# Altium PCB ADCS_PCB_2.PcbDoc (part 1 of 3)
Units mm, origin at the board's own origin, x right, y up, seen from the top; angles counter-clockwise.
Board outline 95.7 x 90 mm, 4 copper layers (Top Layer, Int1 (GND), Int2 (PWR), Bottom Layer), stack 1.57 mm thick; 156 components, 114 nets, 784 pads, 1100 vias.
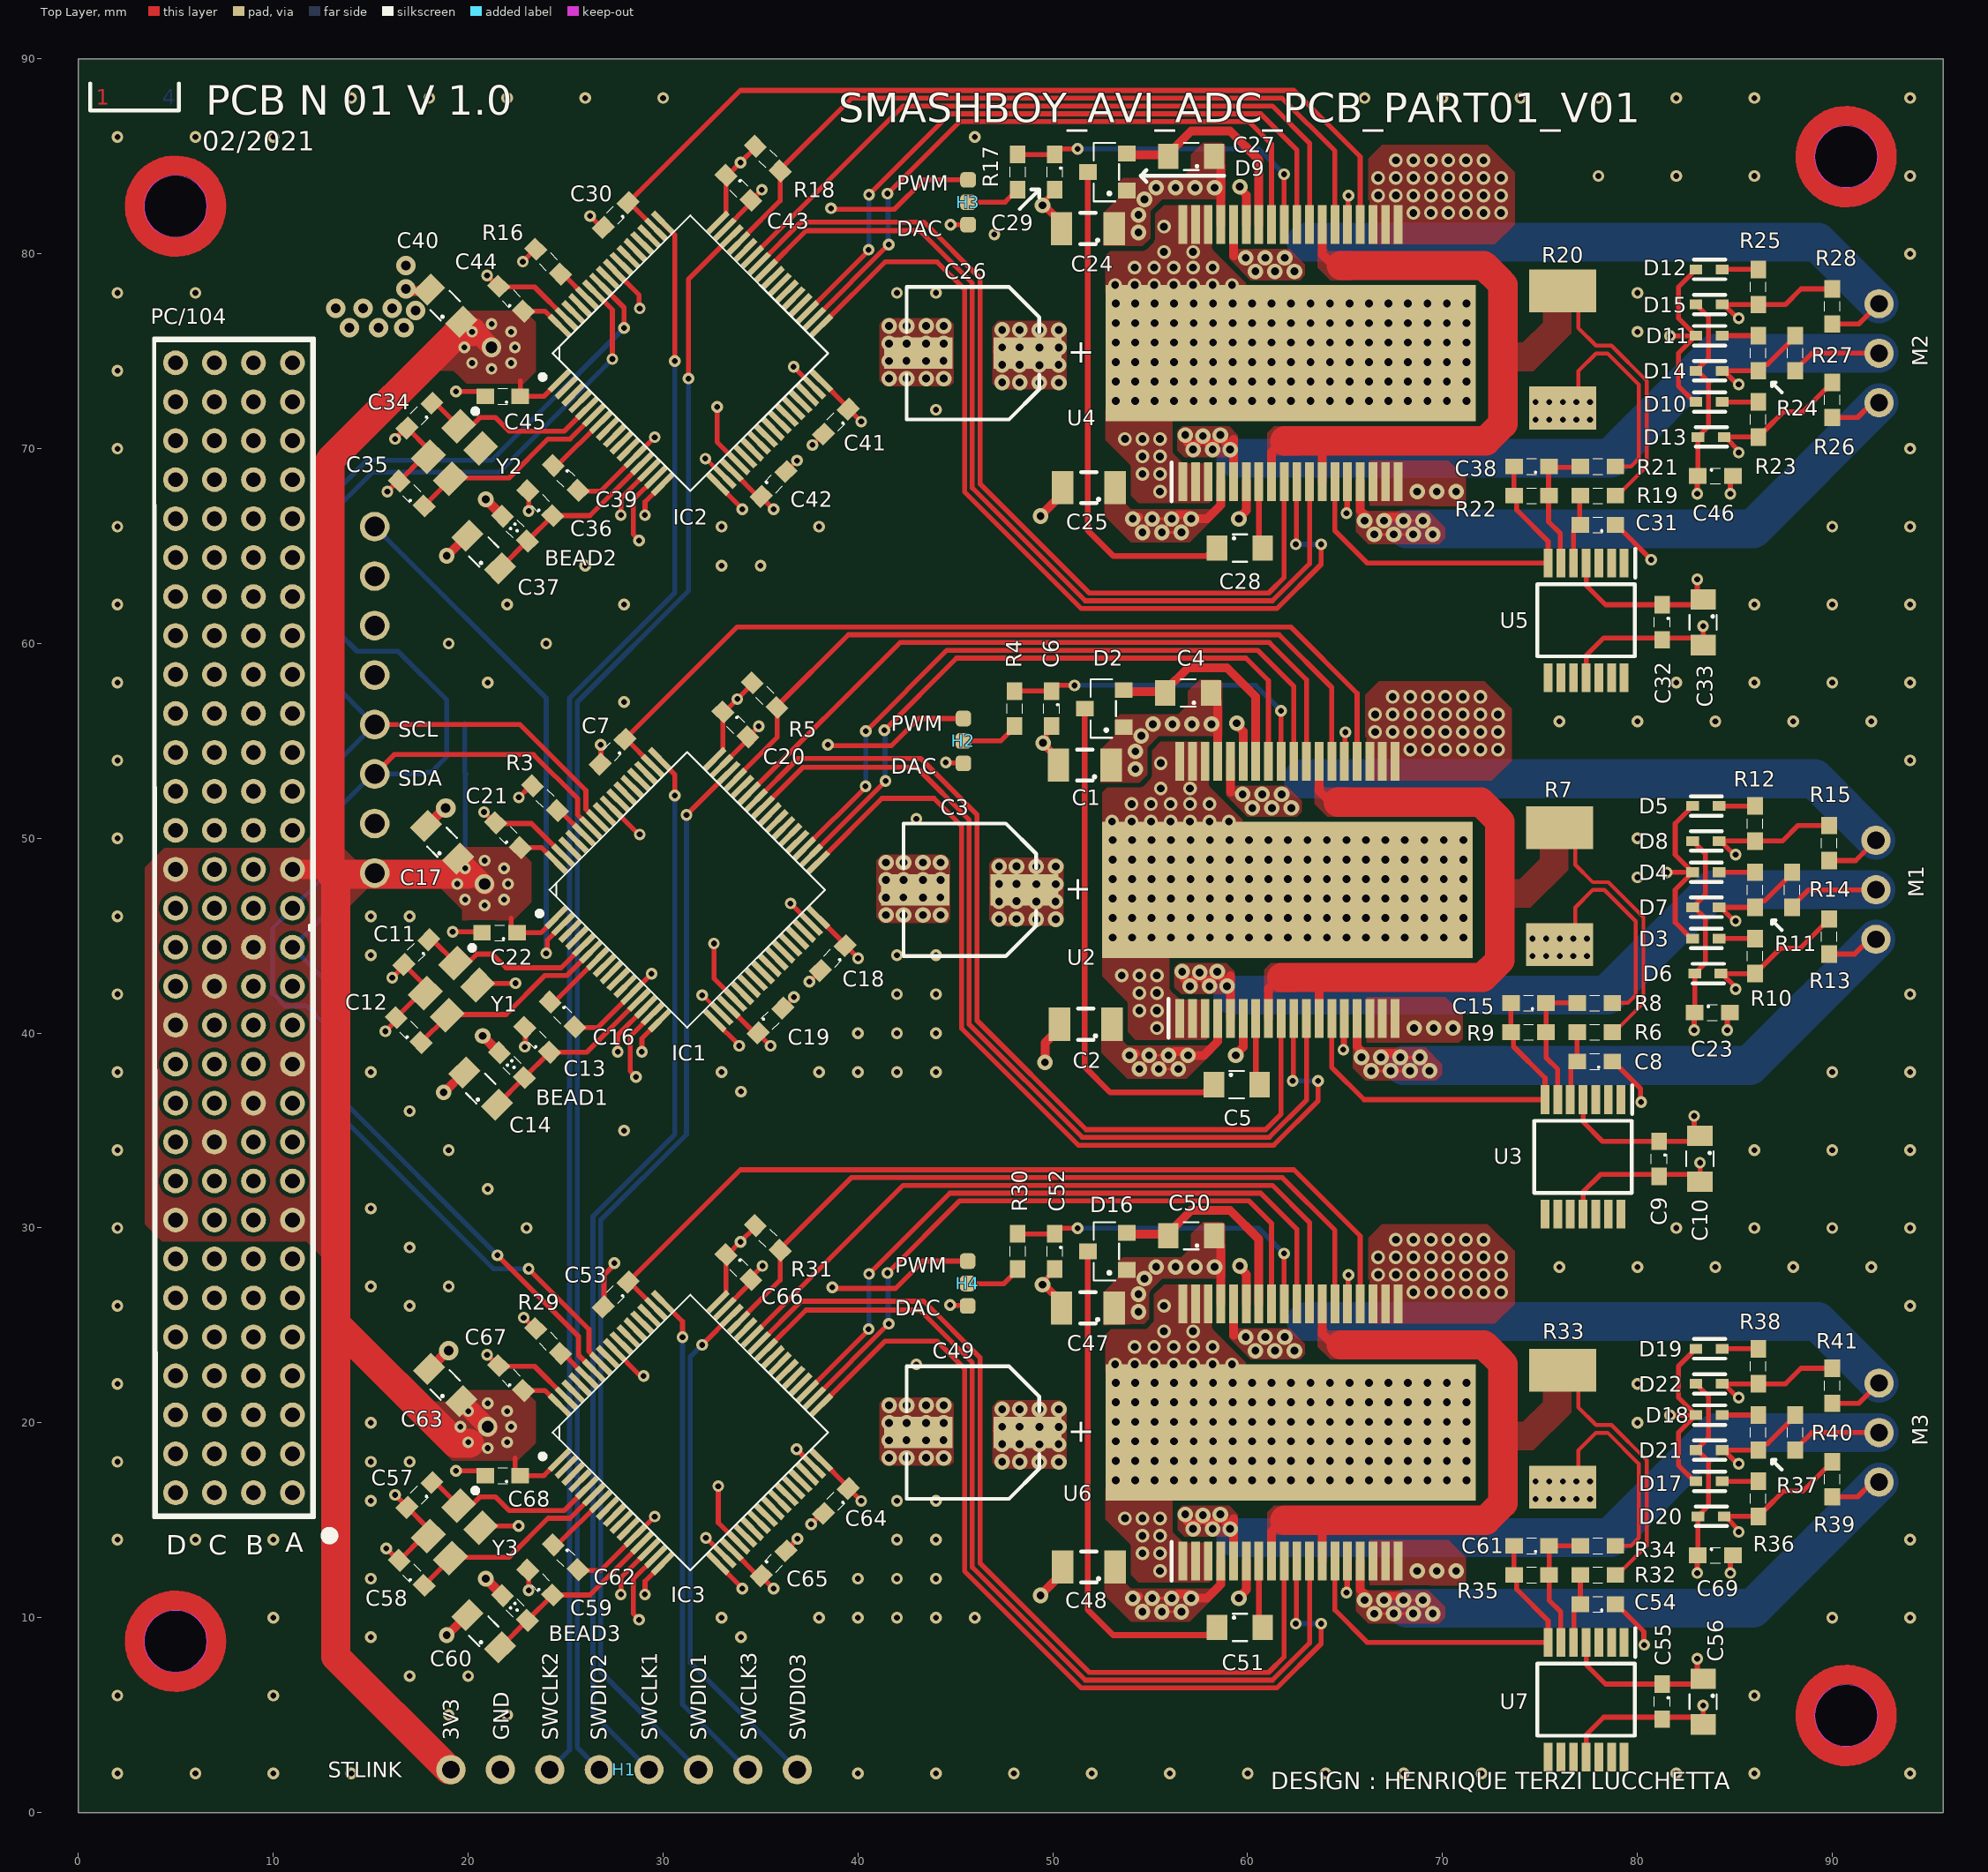
[diagram p0: Top Layer view]
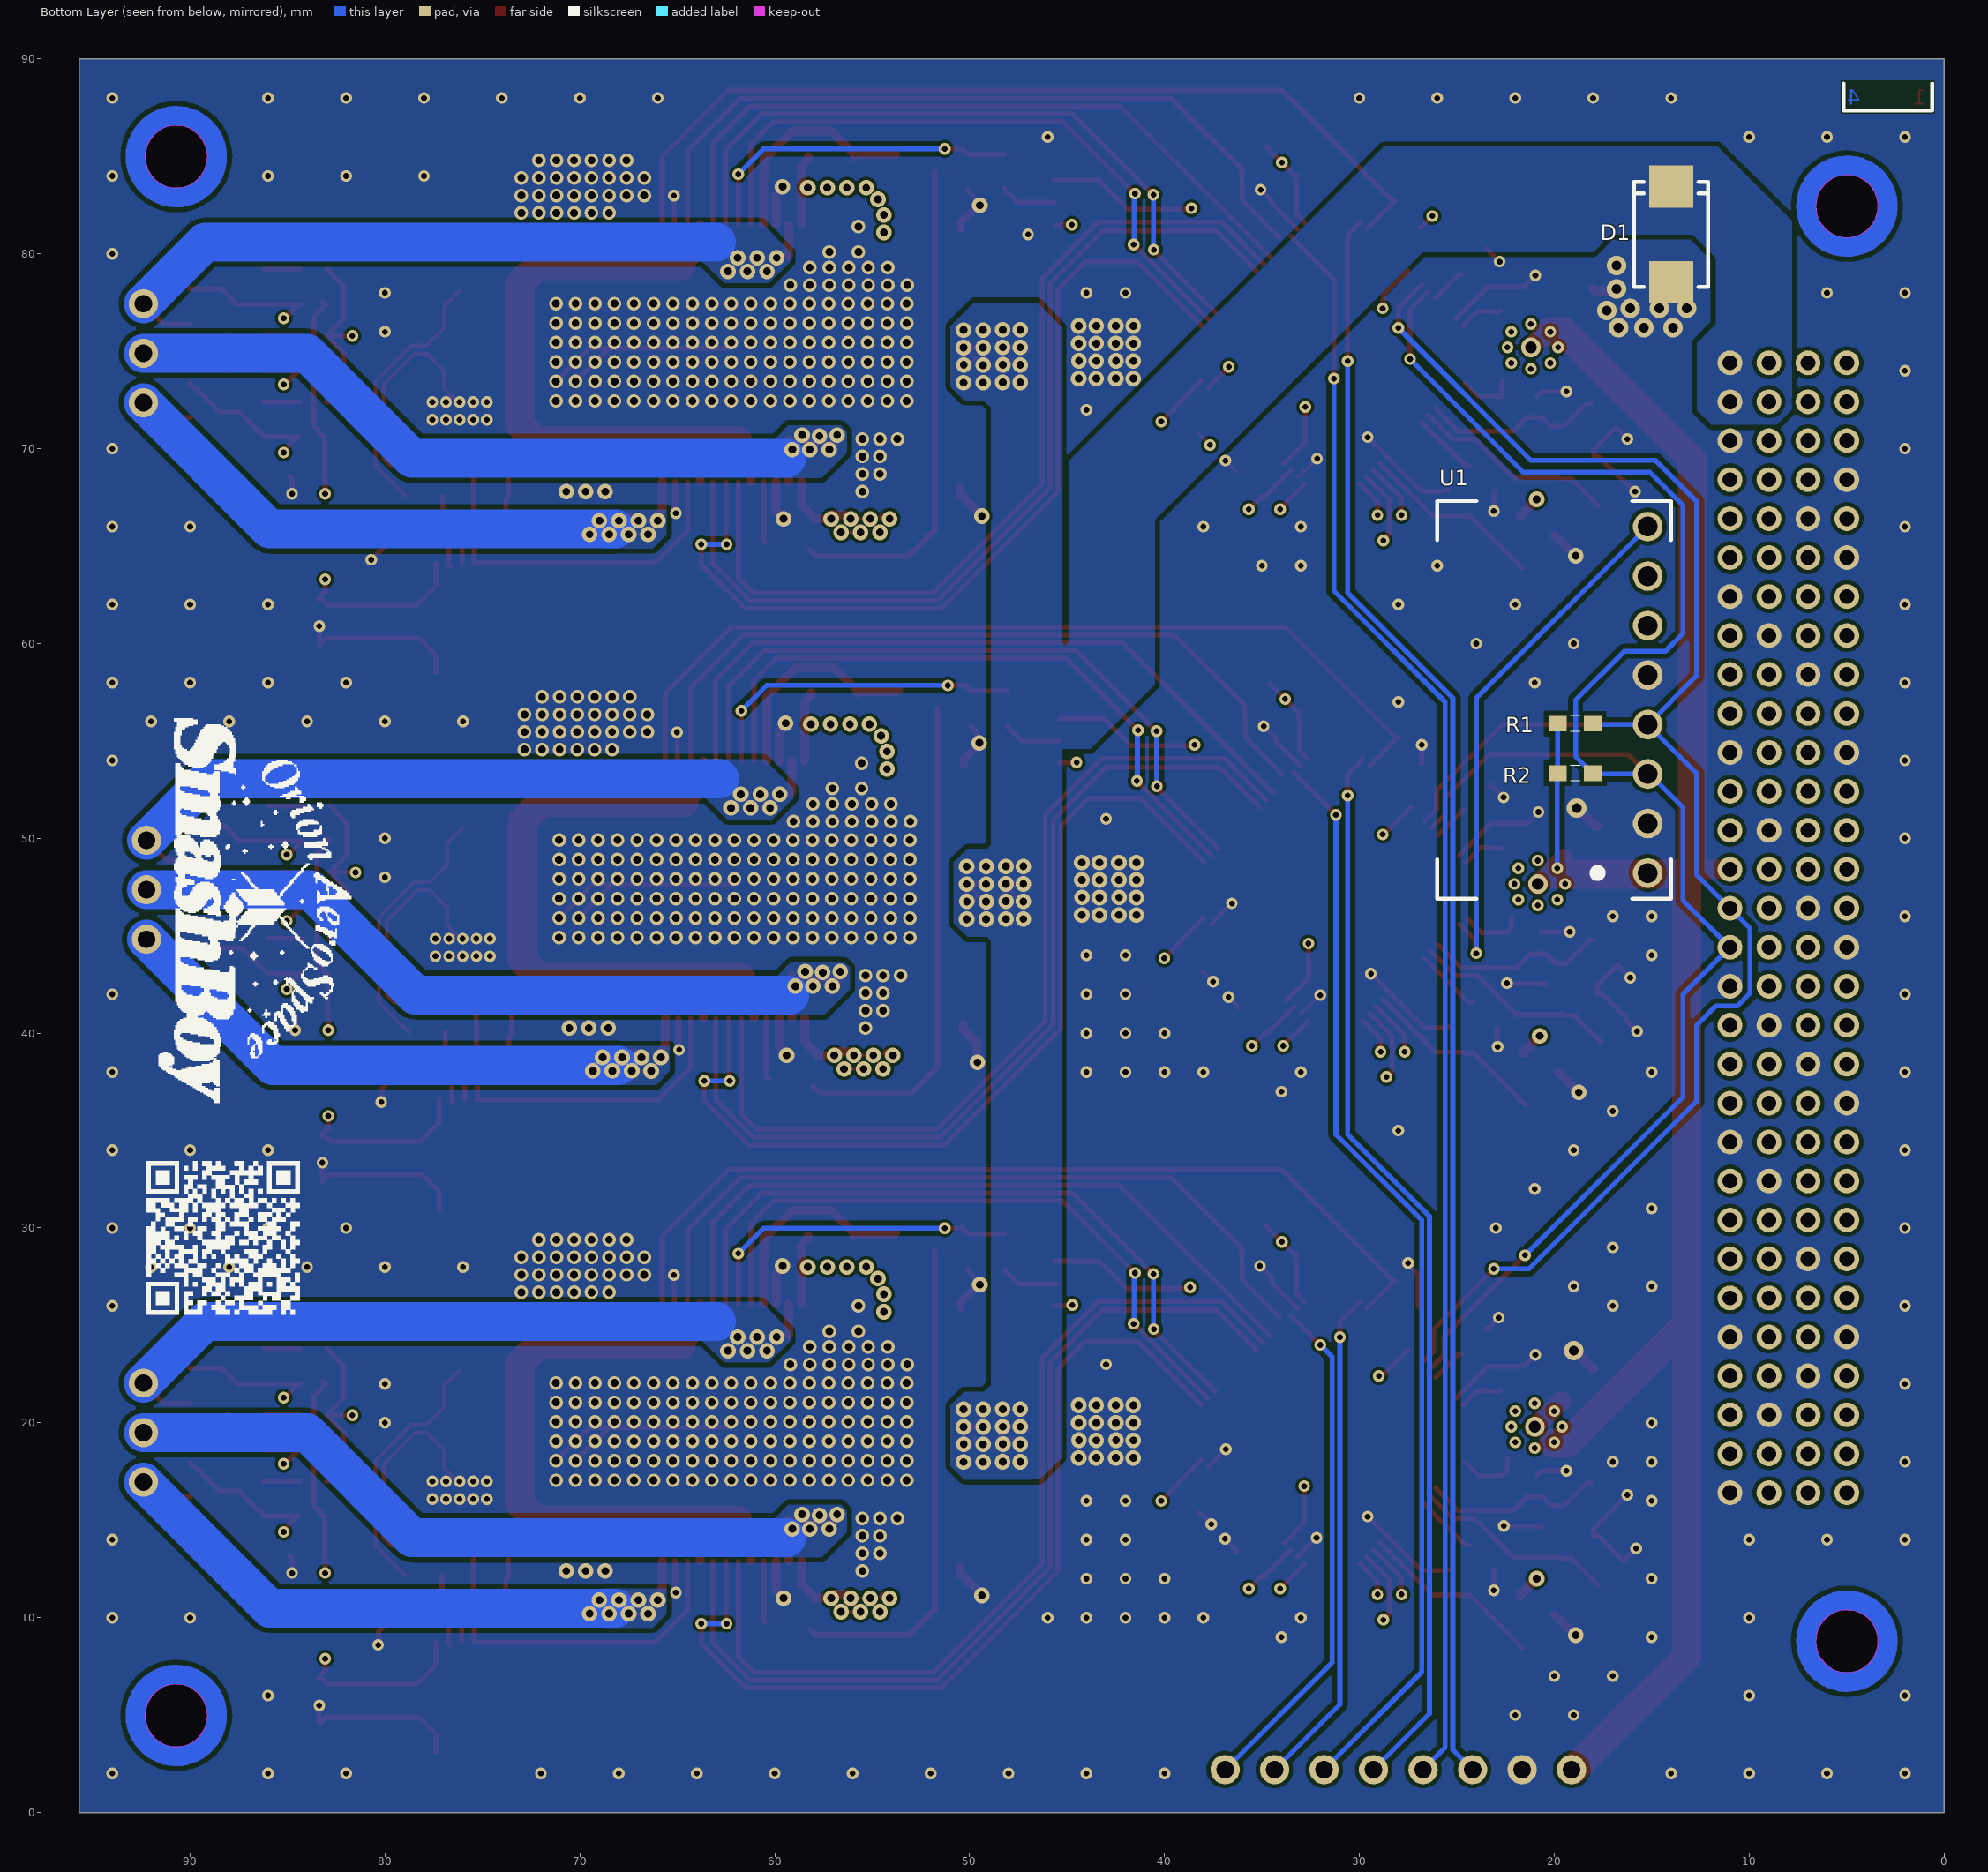
[diagram p1: Bottom Layer view, seen from below]
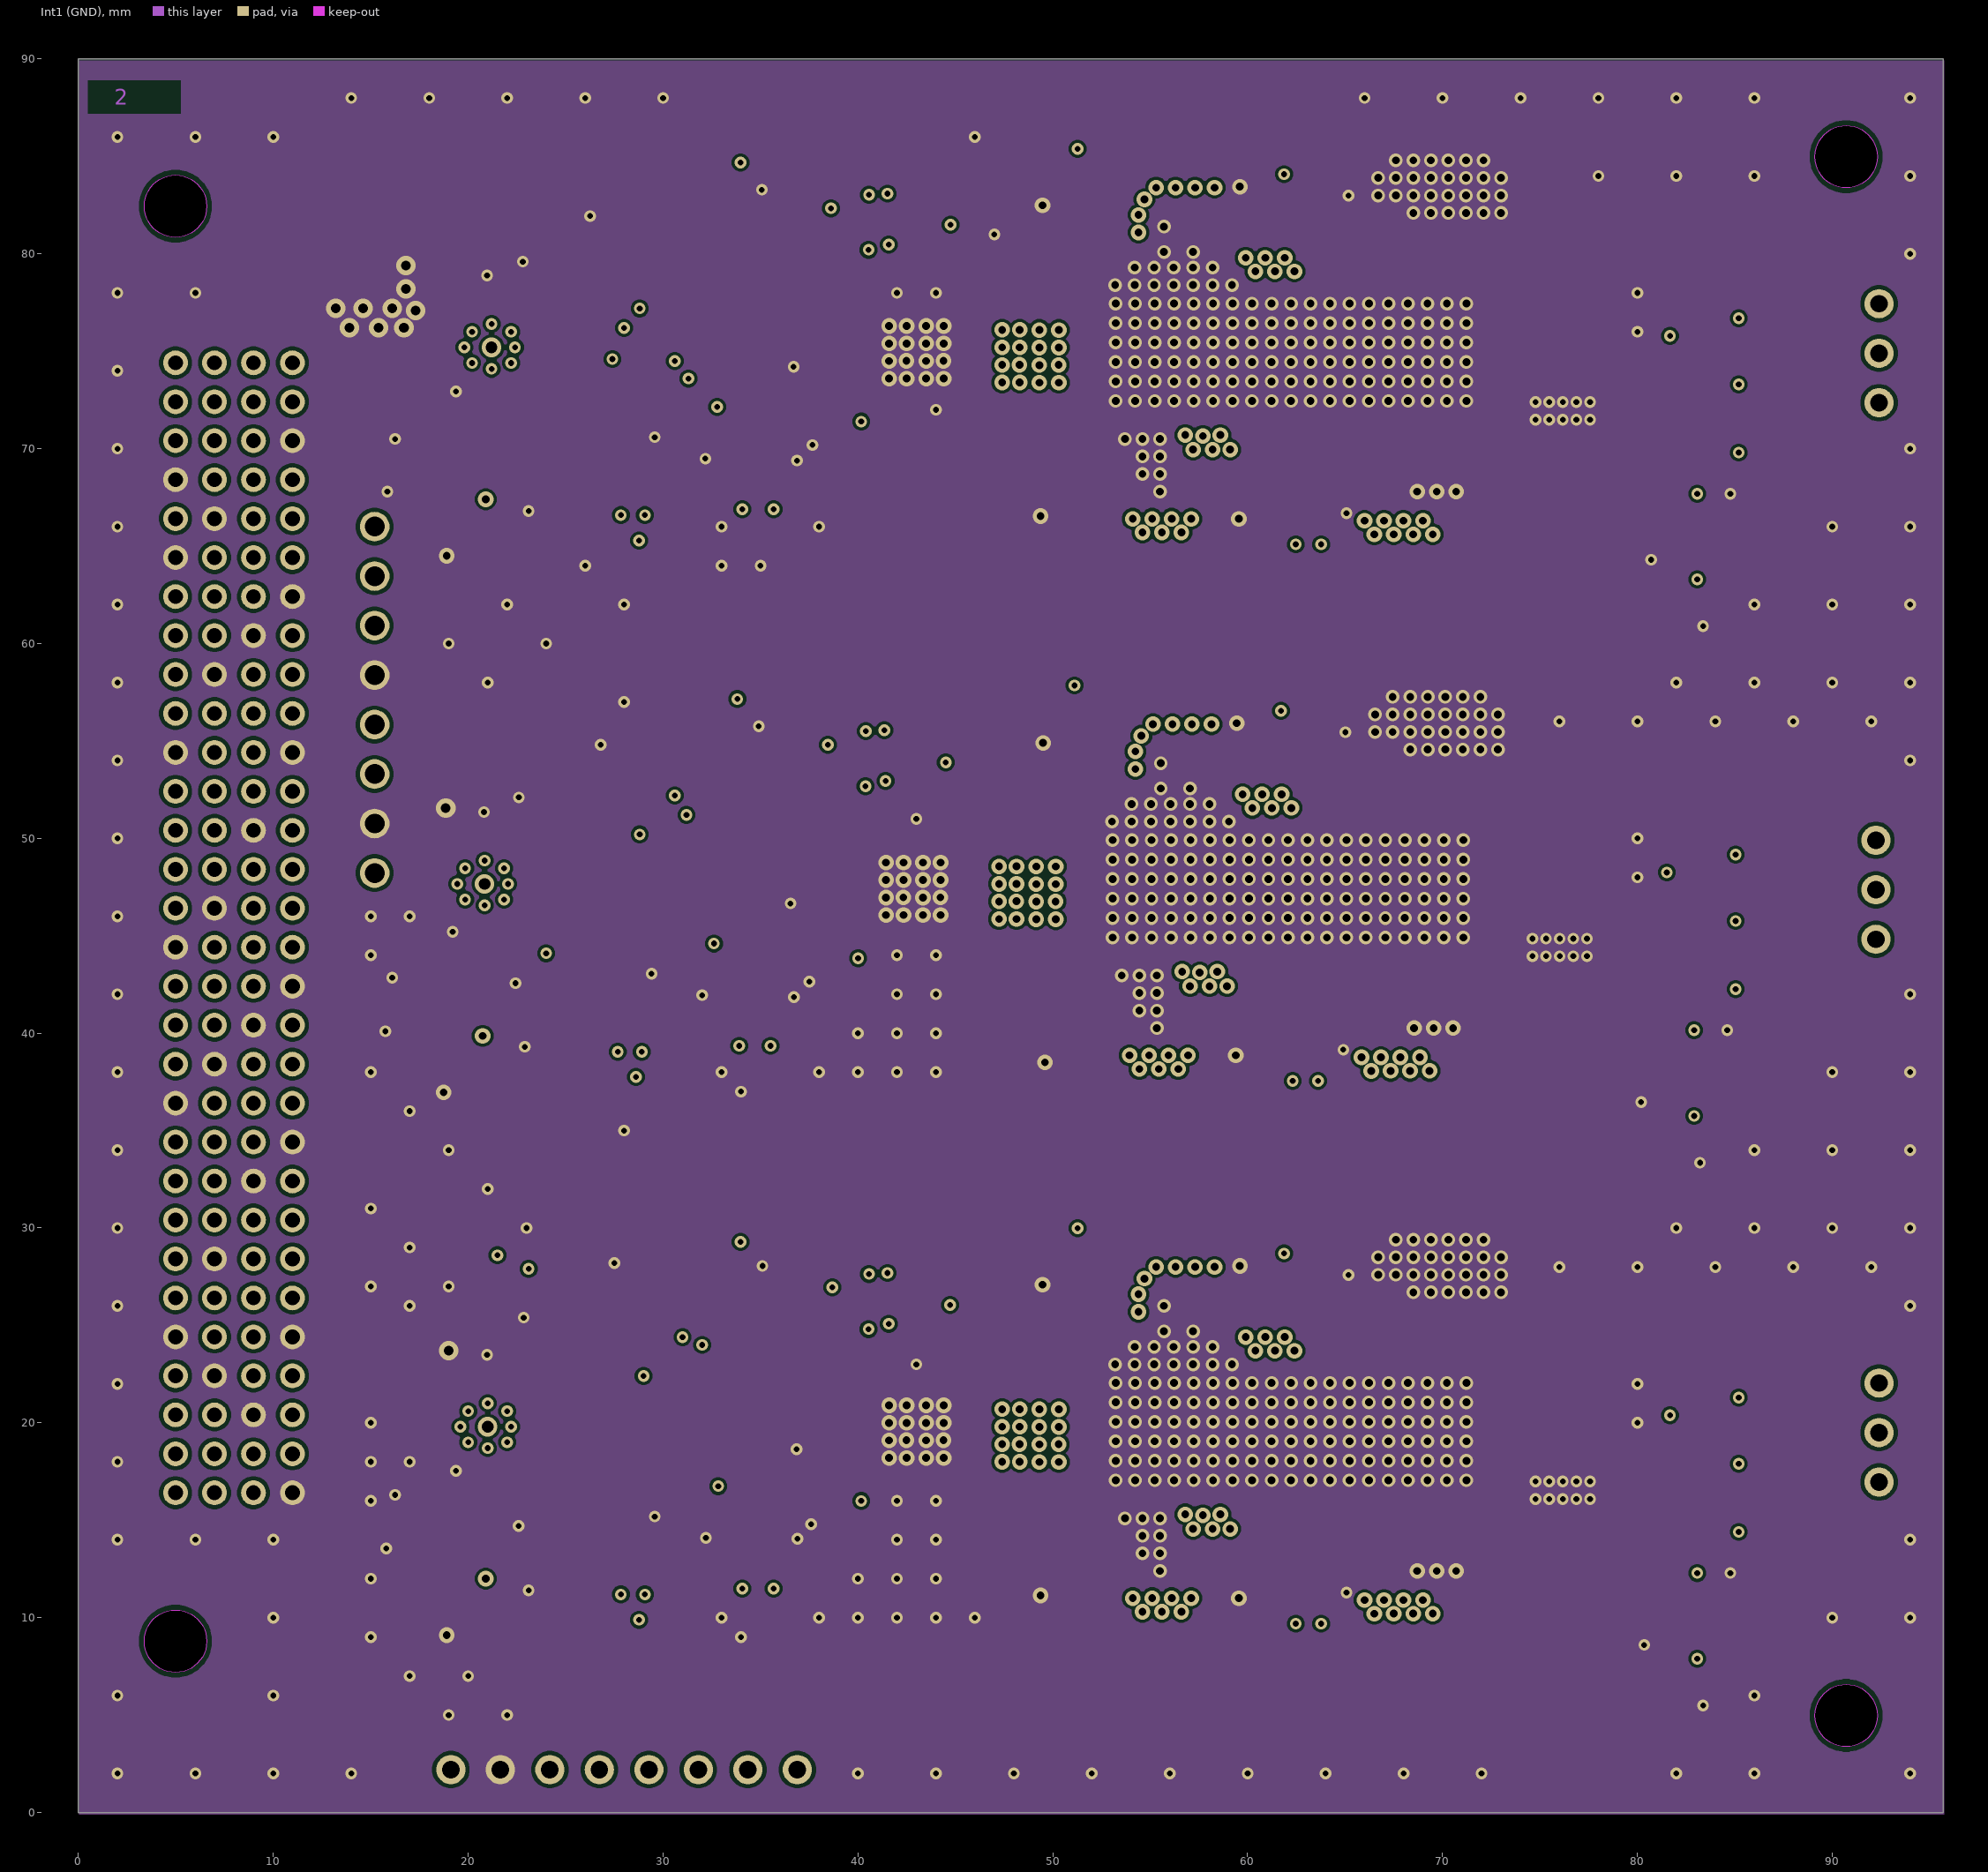
[diagram p2: Int1 (GND)]
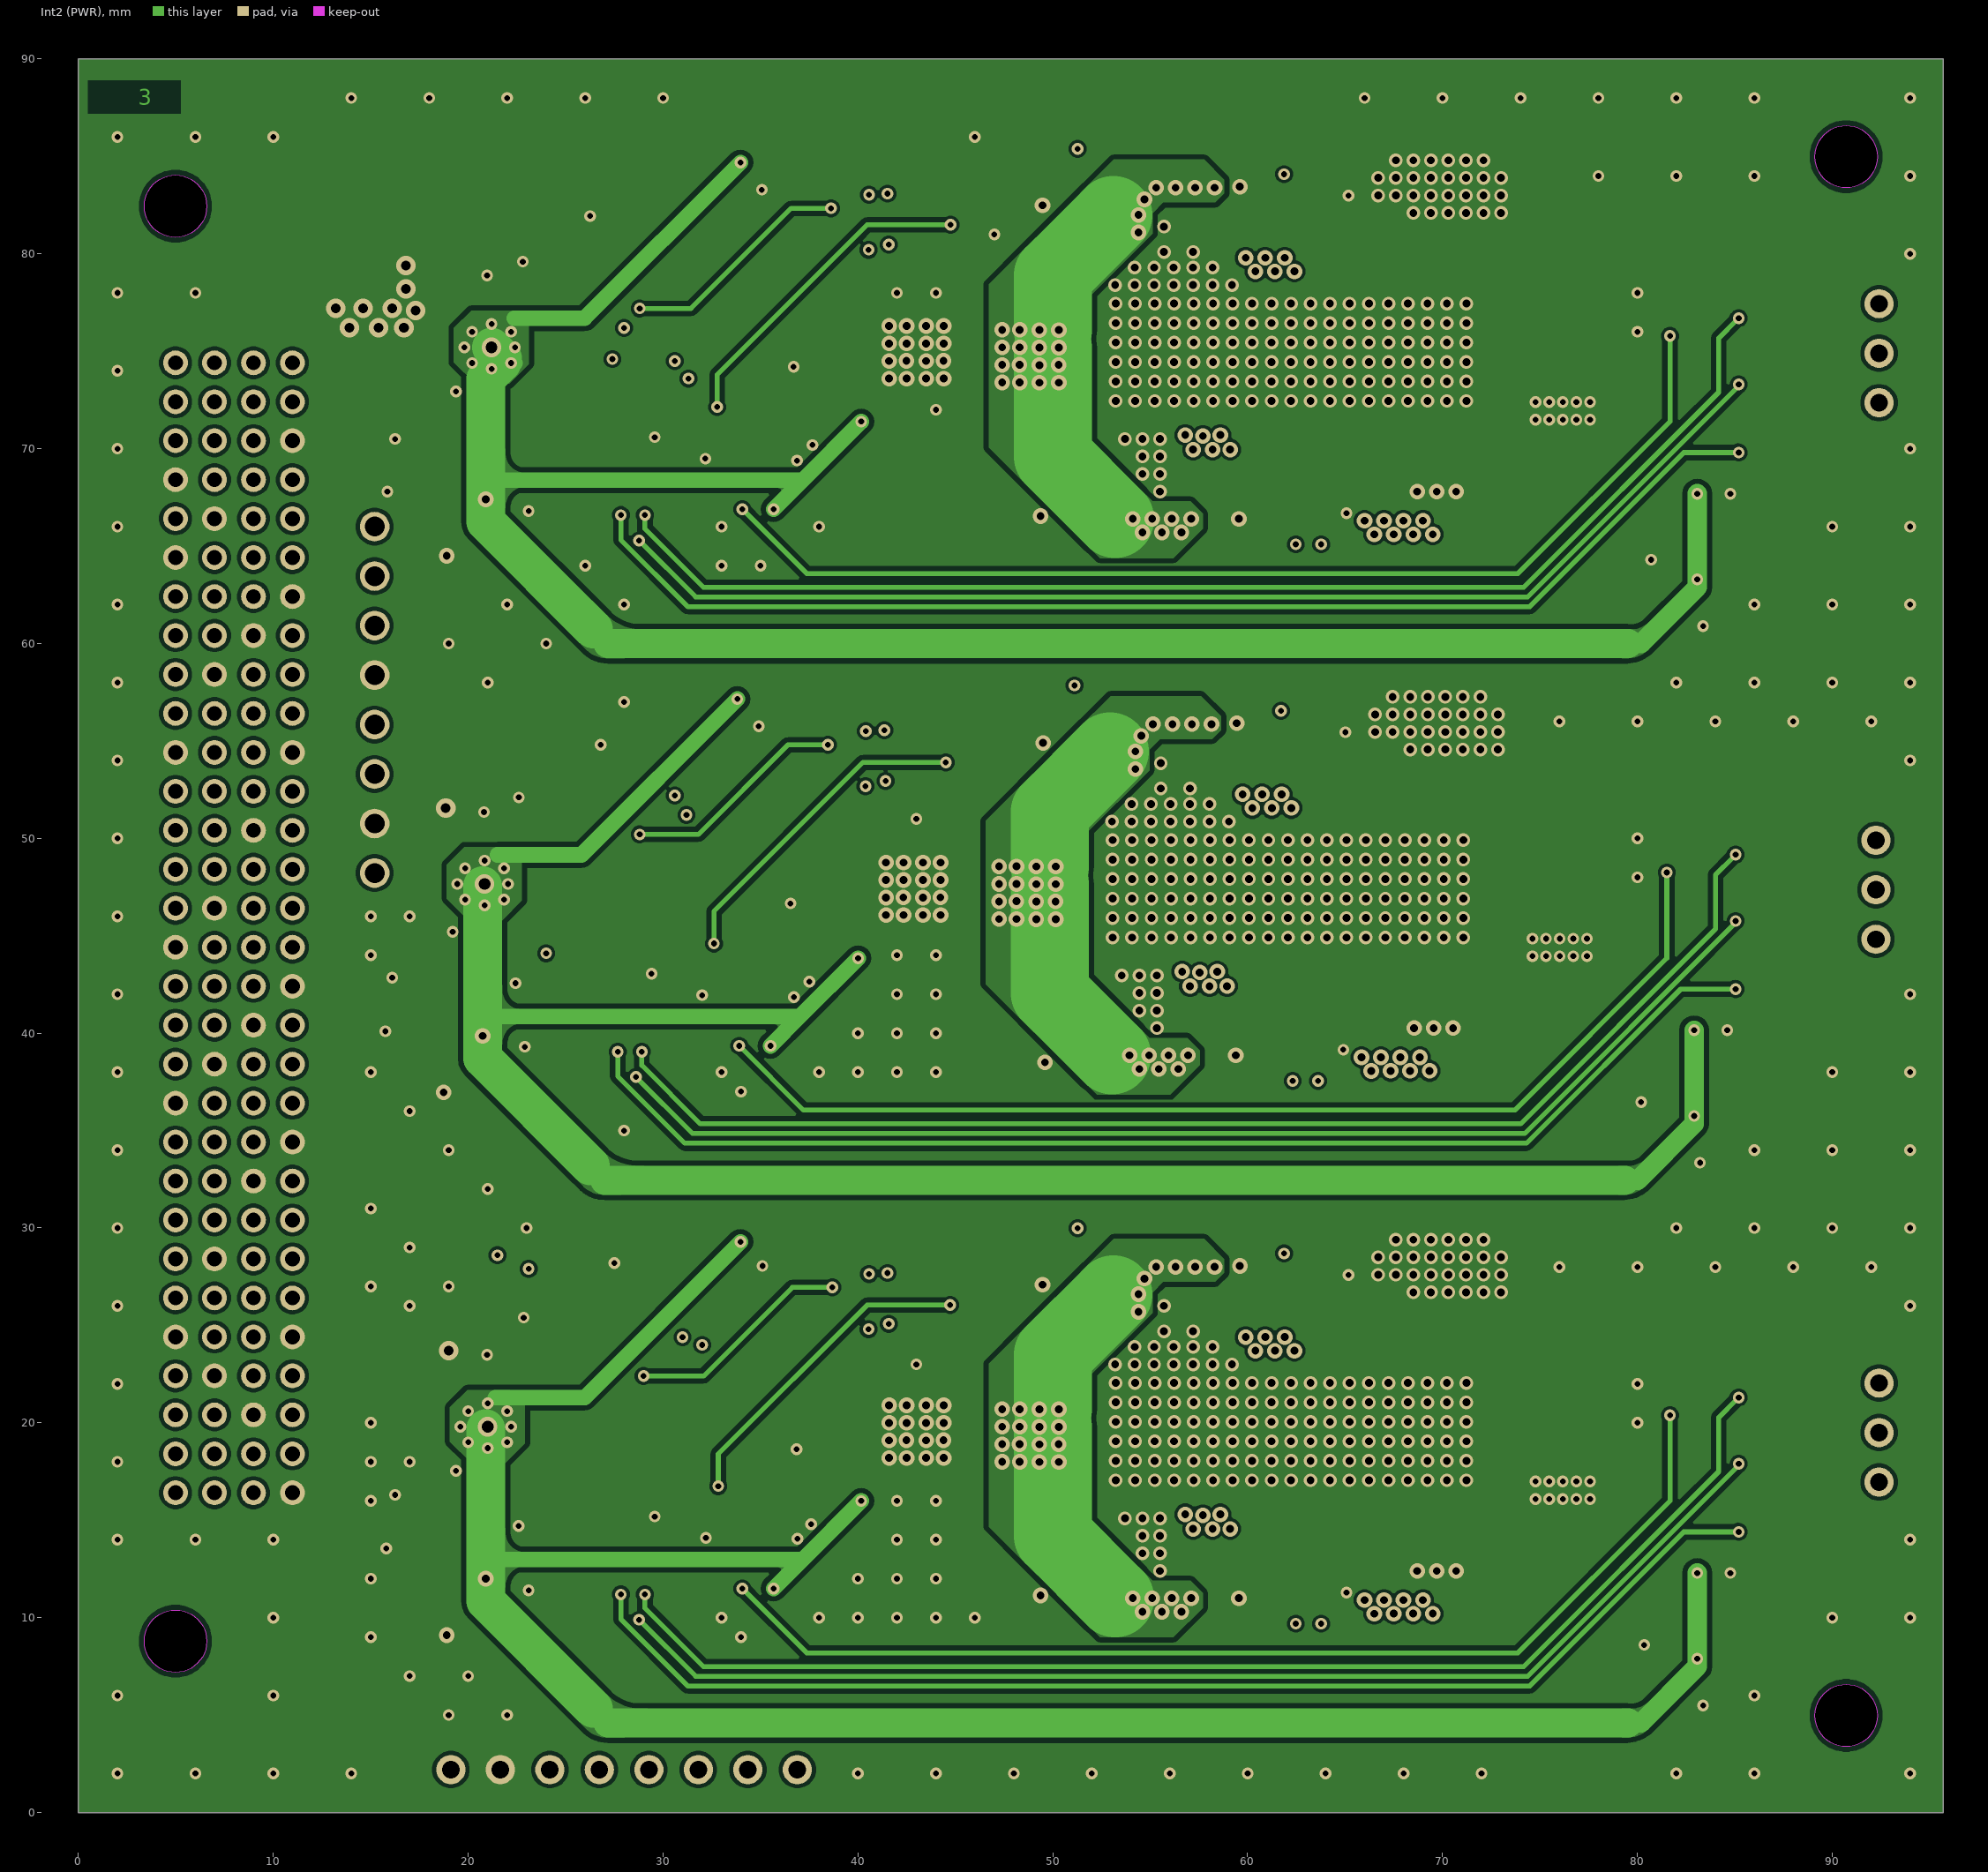
[diagram p3: Int2 (PWR)]

## Layer stack, top to bottom
Top Solder: solder mask 0.01, SM-001, Dk 4
Top Layer: signal copper 0.035
Dielectric 1: prepreg 0.2, PP-017, Dk 4.3
Int1 (GND): signal copper 0.0175
Dielectric 3: core 1.065, Core-039, Dk 4.8
Int2 (PWR): signal copper 0.0175
Dielectric 5: prepreg 0.2, PP-017, Dk 4.3
Bottom Layer: signal copper 0.035
Bottom Solder: solder mask 0.01, SM-001, Dk 4

## Board outline
0,0 95.7,0 95.7,90 0,90
cut-out: 89.11,4.98 cw(c90.71,4.98) 90.71,6.58 cw(c90.71,4.98) 92.31,4.98 cw(c90.71,4.98) 90.71,3.38 cw(c90.71,4.98)
cut-out: 89.11,84.99 cw(c90.71,84.99) 90.71,86.59 cw(c90.71,84.99) 92.31,84.99 cw(c90.71,84.99) 90.71,83.39 cw(c90.71,84.99)
cut-out: 3.38,82.45 cw(c4.98,82.45) 4.98,84.05 cw(c4.98,82.45) 6.58,82.45 cw(c4.98,82.45) 4.98,80.85 cw(c4.98,82.45)
cut-out: 3.38,8.79 cw(c4.98,8.79) 4.98,10.39 cw(c4.98,8.79) 6.58,8.79 cw(c4.98,8.79) 4.98,7.19 cw(c4.98,8.79)

## Design rules (kind name [scope] priority, off if disabled: settings)
Clearance Clearance_Defferents [All] p1: gap=0.254 ignorepadtopadclearanceinfootprint=FALSE except(0.1: Arc-Arc Arc-Track Track-Track; 0.11: Arc-THPad Arc-Via Track-THPad Track-Via; 0.127: SMDPad-SMDPad; 0.15: Via-Poly; 0.2: Arc-SMDPad Track-SMDPad THPad-Poly; 0.3: Via-Via; 0.5: SMDPad-THPad THPad-THPad)
DiffPairsRouting USB_DiffPairsRouting [InDifferentialPairClass('USB')] p1: maxlimit=0.254 minlimit=0.127 mostfreqgap=0.254 toplayer_maxgap=0.127 toplayer_prefgap=0.127 toplayer_minwidth=0.191 toplayer_maxwidth=0.191 toplayer_prefwidth=0.191 midlayer1_minwidth=0.381 midlayer1_maxwidth=0.381 midlayer1_prefwidth=0.381 midlayer2_minwidth=0.381 midlayer2_maxwidth=0.381 midlayer2_prefwidth=0.381 bottomlayer_maxgap=0.127 bottomlayer_prefgap=0.127 bottomlayer_minwidth=0.191 bottomlayer_maxwidth=0.191 bottomlayer_prefwidth=0.191 maxuncoupledlength=12.7
DiffPairsRouting CAN_DiffPairsRouting [InDifferentialPairClass('CAN_BUS')] p2: maxlimit=0.254 minlimit=0.169 mostfreqgap=0.254 toplayer_mingap=0.21 toplayer_maxgap=0.21 toplayer_prefgap=0.21 toplayer_minwidth=0.12 toplayer_maxwidth=0.12 toplayer_prefwidth=0.12 midlayer1_minwidth=0.381 midlayer1_maxwidth=0.381 midlayer1_prefwidth=0.381 midlayer2_minwidth=0.381 midlayer2_maxwidth=0.381 midlayer2_prefwidth=0.381 bottomlayer_mingap=0.21 bottomlayer_maxgap=0.21 bottomlayer_prefgap=0.21 bottomlayer_minwidth=0.12 bottomlayer_maxwidth=0.12 bottomlayer_prefwidth=0.12 maxuncoupledlength=12.7
HoleSize [All] p1: absolutevalues=TRUE maxlimit=6.3 minlimit=0.025 maxpercent=80.000 minpercent=20.000
HoleToHoleClearance [All] p1: gap=0.5 allowstackedmicrovias=TRUE
PlaneConnect [All] p1: planeconnectstyle=Direct reliefexpansion=0.508 reliefentries=4 reliefconductorwidth=0.254 reliefairgap=0.254
PolygonConnect [All] p1: connectstyle=Direct reliefconductorwidth=0.254 reliefentries=4 polygonreliefangle="45 Angle" airgapwidth=0.254
RoutingVias [All] p1: holewidth=0.4 width=0.8 viastyle="Through Hole" minholewidth=0.3 minwidth=0.6 maxholewidth=0.8 maxwidth=1.2
SolderMaskExpansion [All] p1: expansion=0.102 istentingtop=FALSE
Width [All] p1: maxlimit=5 minlimit=0.09 preferedwidth=0.127
26 further rules are at their usual default settings.
